# KiCad board gear85_hotswap_flex_cut, number pad.kicad_pcb (continued)
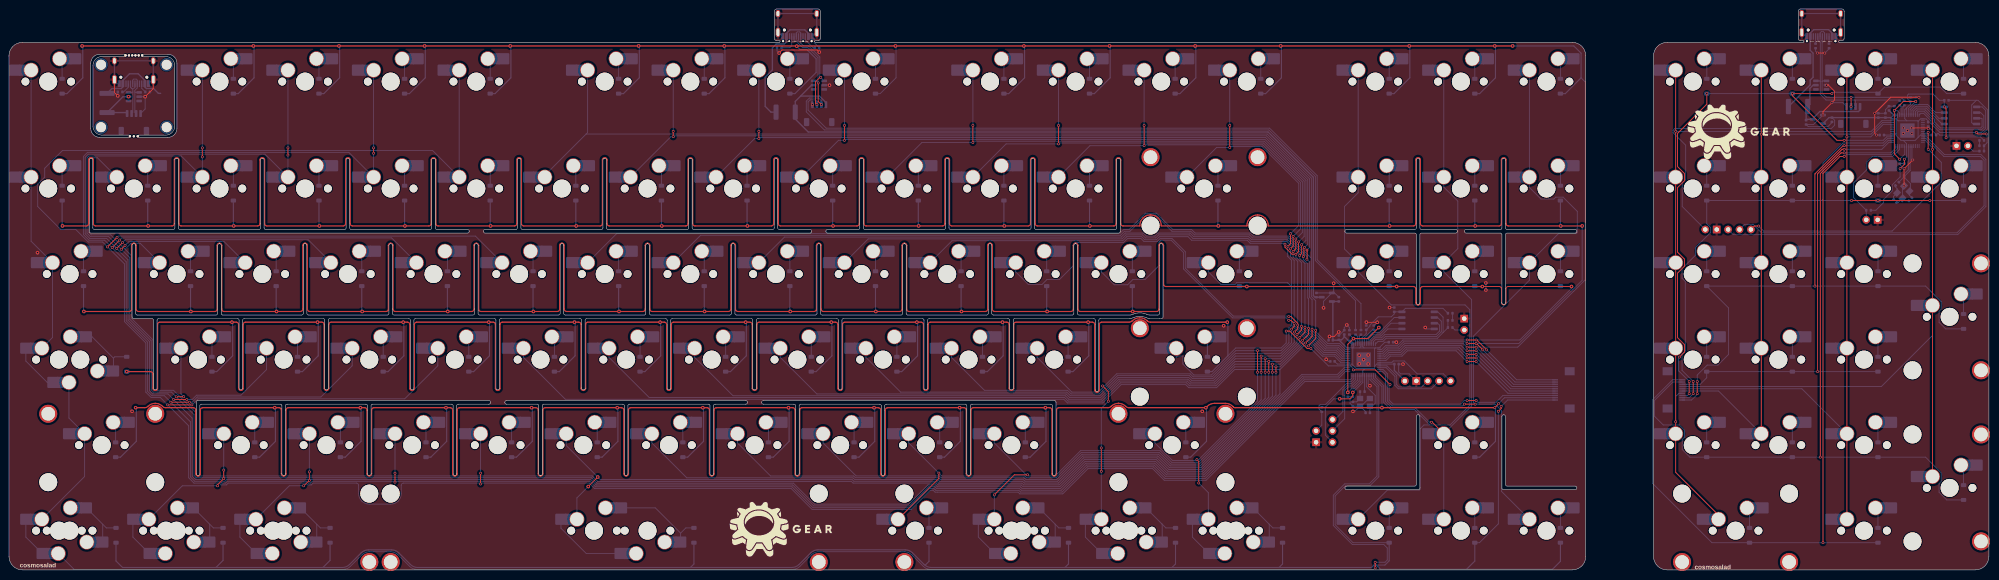
[diagram p0: board, top side]
## Footprints (pads in the part's own frame, mm; a bottom-side part is the same pattern mirrored in y, then rotated) (continued)
  round 3.3 hole 3: 1(3.81,2.54) 2(-2.54,5.08)
  rect 1.65x2.5 smd: 1(5.635,2.54) 2(-4.34,5.08)
  rrect 2.55x2.5 smd: 1(7.36,2.54) 2(-6.09,5.08)
SW_MX_HS_1.25u
  round 1.75 hole 1.75 unplated: (-5.08,0) (5.08,0)
  round 3.988 hole 3.988 unplated: (0,0)
  round 3.3 hole 3: 1(3.81,2.54) 2(-2.54,5.08)
  rect 1.65x2.5 smd: 1(5.635,2.54) 2(-4.34,5.08)
  rrect 2.55x2.5 smd: 1(7.36,2.54) 2(-6.09,5.08)
SW_MX_HS_1.75u
  round 1.75 hole 1.75 unplated: (-5.08,0) (5.08,0)
  round 3.988 hole 3.988 unplated: (0,0)
  round 3.3 hole 3: 1(3.81,2.54) 2(-2.54,5.08)
  rect 1.65x2.5 smd: 1(5.635,2.54) 2(-4.34,5.08)
  rrect 2.55x2.5 smd: 1(7.36,2.54) 2(-6.09,5.08)
SW_MX_HS_1.75u_STP_1.25
  round 1.75 hole 1.75 unplated: (-5.08,0) (5.08,0)
  round 3.988 hole 3.988 unplated: (0,0)
  round 3.3 hole 3: 1(3.81,2.54) 2(-2.54,5.08)
  rect 1.65x2.5 smd: 1(5.635,2.54) 2(-4.34,5.08)
  rrect 2.55x2.5 smd: 1(7.36,2.54) 2(-6.09,5.08)
SW_MX_HS_1u
  round 1.75 hole 1.75 unplated: (-5.08,0) (5.08,0)
  round 3.988 hole 3.988 unplated: (0,0)
  round 3.3 hole 3: 1(3.81,2.54) 2(-2.54,5.08)
  rect 1.65x2.5 smd: 1(5.635,2.54) 2(-4.34,5.08)
  rrect 2.55x2.5 smd: 1(7.36,2.54) 2(-6.09,5.08)
unnamed
  round 0.45 hole 0.45 unplated: (0,0)
unnamed#3
  round 0.5 hole 0.5 unplated: (0,0)
unnamed#4
  round 0.5 hole 0.5 unplated: (0,0.032)
unnamed#5
  round 0.35 hole 0.35 unplated: (0,0)
unnamed#6
  round 3 hole 2.2 unplated: (0.029,0)
unnamed#7
  round 3 hole 2.2 unplated: (0.029,-0.048)
unnamed#2
  round 3 hole 2.2 unplated: (0.097,0.045)
unnamed#8
  round 3 hole 2.2 unplated: (0.097,0)
USB_C_Receptacle_HRO_TYPE-C-31-M-12
  round 0.65 hole 0.65 unplated: (-2.89,2.6) (2.89,2.6)
  rect 0.6x1.45 smd: A1(-3.25,4.045) A4(-2.45,4.045) A9(2.45,4.045) A12(3.25,4.045) B1(3.25,4.045) B4(2.45,4.045) B9(-2.45,4.045) B12(-3.25,4.045)
  rect 0.3x1.45 smd: A5(-1.25,4.045) A6(-0.25,4.045) A7(0.25,4.045) A8(1.25,4.045) B5(1.75,4.045) B6(0.75,4.045) B7(-0.75,4.045) B8(-1.75,4.045)
  oval 1x1.6 hole 0.6x1.2: S1(-4.32,-1.05) S1(4.32,-1.05)
  oval 1x2.1 hole 0.6x1.7: S1(-4.32,3.13) S1(4.32,3.13)

## Nets
+1V1: C1.1 C2.1 C3.1 U1.23 U1.45 U1.50
+1V1R: C17.1 C18.1 C19.1 U7.23 U7.45 U7.50
+3V3: C4.1 C5.1 C6.1 C7.1 C8.1 C9.1 C10.1 C11.1 C13.1 C14.1 J3.1 J8.1 R4.2 R5.2 U1.1 U1.10 U1.22 U1.33 U1.42 U1.43 U1.44 U1.48 U1.49 U2.2 U3.8
+3V3R: C20.1 C21.1 C22.1 C23.1 C24.1 C25.1 C26.1 C27.1 C29.1 C32.1 J11.1 R17.2 R20.2 U7.1 U7.10 U7.22 U7.33 U7.42 U7.43 U7.44 U7.48 U7.49 U8.2 U9.8
+5V: C12.1 F1.1 J1.1 U2.3 U4.5
+5VA: F2.1 J4.4 U5.5
+5VR: C28.1 F3.1 J10.1 U6.5 U8.3
GND: BOOT1.1 C1.2 C2.2 C3.2 C4.2 C5.2 C6.2 C7.2 C8.2 C9.2 C10.2 C11.2 C12.2 C13.2 C14.2 C15.1 C16.1 J1.4 J2.A1 J2.A12 J2.B1 J2.B12 J2.S1 J8.2 R8.2 R9.2 RESET1.1 U1.19 U1.57 U2.1 U3.4 U4.2 Y1.2 Y1.4
GNDA: J4.1 J5.A1 J5.A12 J5.B1 J5.B12 J5.S1 R10.2 R11.2 U5.2
GNDR: BOOT2.1 C17.2 C18.2 C19.2 C20.2 C21.2 C22.2 C23.2 C24.2 C25.2 C26.2 C27.2 C28.2 C29.2 C30.1 C31.1 C32.2 J9.A1 J9.A12 J9.B1 J9.B12 J9.S1 J10.4 J11.2 R12.2 R13.2 RESET2.1 U6.2 U7.19 U7.57 U8.1 U9.4 Y2.2 Y2.4
VBUS: F1.2 J2.A4 J2.A9 J2.B4 J2.B9
VBUSR: F3.2 J9.A4 J9.A9 J9.B4 J9.B9
VCC: F2.2 J5.A4 J5.A9 J5.B4 J5.B9
COL0: MX1.1 MX17.1 MX34.1 MX51.1 MX52.2 MX65.1 MX78.1 MX89.2 U1.18
COL1: MX18.1 MX35.1 U1.31
COL2: MX2.1 MX19.1 MX36.1 MX53.1 MX66.1 MX79.1 MX90.2 U1.30
COL3: MX3.1 MX20.1 MX37.1 MX54.1 MX67.1 MX80.1 MX91.2 U1.29
COL4: MX4.1 MX21.1 MX38.1 MX55.1 MX68.1 U1.28
COL5: MX5.1 MX22.1 MX39.1 MX56.1 MX69.1 U1.27
COL6: MX6.1 MX23.1 MX40.1 MX57.1 MX70.1 MX81.1 MX92.2 U1.41
COL7: MX7.1 MX24.1 MX41.1 MX58.1 MX71.1 U1.40
COL8: MX8.1 MX25.1 MX42.1 MX59.1 MX72.1 U1.39
COL9: MX9.1 MX26.1 MX43.1 MX60.1 MX73.1 U1.38
COL10: MX10.1 MX27.1 MX44.1 MX61.1 MX74.1 MX82.1 U1.37
COL11: MX11.1 MX28.1 MX45.1 MX62.1 MX75.1 MX83.2 MX93.1 U1.36
COL12: MX12.1 MX29.1 MX46.1 MX63.1 MX84.2 MX94.1 U1.35
COL13: MX13.1 MX30.1 MX47.1 MX64.1 MX76.1 MX85.2 MX95.1 U1.34
COL14: MX14.1 MX31.1 MX48.1 MX86.1 U1.15
COL15: MX15.1 MX32.1 MX49.1 MX77.1 MX87.1 U1.14
COL16: MX16.1 MX33.1 MX50.1 MX88.1 U1.13
COL17: J6.4 U1.5
COL17_N: J7.4 MX96.1 MX100.1 MX104.1 MX107.1 MX108.1 MX112.1 U7.41
COL18: J6.5 U1.6
COL18_N: J7.5 MX97.1 MX101.1 MX105.1 MX109.1 MX113.1 U7.40
COL19: J6.6 U1.7
COL19_N: J7.6 MX98.1 MX102.1 MX106.1 MX110.1 MX114.1 MX115.1 U7.39
COL20: J6.7 U1.8
COL20_N: J7.7 MX99.1 MX103.1 MX111.1 MX116.1 U7.13
GP_SCL: J8.4 U1.12
GP_SCL_N: J11.4 U7.12
GP_SDA: J8.3 U1.11
GP_SDA_N: J11.3 U7.11
QSPI_SCLK: U1.52 U3.6
QSPI_SCLK_R: U7.52 U9.6
QSPI_SD0: U1.53 U3.5
QSPI_SD0_R: U7.53 U9.5
QSPI_SD1: U1.55 U3.2
QSPI_SD1_R: U7.55 U9.2
QSPI_SD2: U1.54 U3.3
QSPI_SD2_R: U7.54 U9.3
QSPI_SD3: U1.51 U3.7
QSPI_SD3_R: U7.51 U9.7
QSPI_SS: R6.1 R7.2 U1.56 U3.1
QSPI_SS_R: R18.1 R19.2 U7.56 U9.1
RESET: R5.1 RESET1.2 U1.26
RESET_R: R20.1 RESET2.2 U7.26
ROW0: D1.1 D2.1 D3.1 D4.1 D5.1 D6.1 D7.1 D8.1 D9.1 D10.1 D11.1 D12.1 D13.1 D14.1 D15.1 D16.1 J6.3 U1.4
ROW0_N: D107.1 D113.1 D115.1 D116.1 J7.3 U7.32
ROW1: D17.1 D18.1 D19.1 D20.1 D21.1 D22.1 D23.1 D24.1 D25.1 D26.1 D27.1 D28.1 D29.1 D30.1 D31.1 D32.1 D33.1 J6.2 U1.3
ROW1_N: D96.1 D97.1 D98.1 D99.1 J7.2 U7.31
ROW2: D34.1 D35.1 D36.1 D37.1 D38.1 D39.1 D40.1 D41.1 D42.1 D43.1 D44.1 D45.1 D46.1 D47.1 D48.1 D49.1 D50.1 J6.1 U1.2
ROW2_N: D100.1 D101.1 D102.1 D103.1 J7.1 U7.30
ROW3: D51.1 D53.1 D54.1 D55.1 D56.1 D57.1 D58.1 D59.1 D60.1 D61.1 D62.1 D63.1 D64.1 J6.8 U1.32
ROW3_N: D104.1 D105.1 D106.1 J7.8 U7.29
ROW4: D65.1 D66.1 D67.1 D68.1 D69.1 D70.1 D71.1 D72.1 D73.1 D74.1 D75.1 D76.1 D77.1 J6.9 U1.16
ROW4_N: D108.1 D109.1 D110.1 D111.1 J7.9 U7.28
ROW5: D78.1 D79.1 D80.1 D81.1 D82.1 D83.1 D84.1 D85.1 D86.1 D87.1 D88.1 J6.10 U1.17
ROW5_N: D112.1 D114.1 J7.10 U7.27
SW: J8.5 U1.9
SW_N: J11.5 U7.9
SWCLK: J3.2 U1.24
SWCLK_R: U7.24
SWD: J3.3 U1.25
SWD_R: U7.25
USB_D+: J1.3 J2.A6 J2.B6 R1.1 U4.1
USB_D+_DB: J4.2 J5.A6 J5.B6 U5.1
USB_D+_R: J9.A6 J9.B6 J10.3 R14.1 U6.1
USB_D-: J1.2 J2.A7 J2.B7 R2.1 U4.6
USB_D-_DB: J4.3 J5.A7 J5.B7 U5.6
USB_D-_R: J9.A7 J9.B7 J10.2 R15.1 U6.6
XIN: C15.2 U1.20 Y1.3
XIN_R: C30.2 U7.20 Y2.3
XOUT: R3.2 U1.21
XOUT_R: R16.2 U7.21
Net-(BOOT1-Pad2): BOOT1.2 R7.1
Net-(BOOT2-Pad2): BOOT2.2 R19.1
Net-(C16-Pad2): C16.2 R3.1 Y1.1
Net-(C31-Pad2): C31.2 R16.1 Y2.1
Net-(D1-A): D1.2 MX1.2
Net-(D2-A): D2.2 MX2.2
Net-(D3-A): D3.2 MX3.2
Net-(D4-A): D4.2 MX4.2
Net-(D5-A): D5.2 MX5.2
Net-(D6-A): D6.2 MX6.2
Net-(D7-A): D7.2 MX7.2
Net-(D8-A): D8.2 MX8.2
Net-(D9-A): D9.2 MX9.2
Net-(D10-A): D10.2 MX10.2
Net-(D11-A): D11.2 MX11.2
Net-(D12-A): D12.2 MX12.2
Net-(D13-A): D13.2 MX13.2
Net-(D14-A): D14.2 MX14.2
Net-(D15-A): D15.2 MX15.2
Net-(D16-A): D16.2 MX16.2
Net-(D17-A): D17.2 MX17.2
Net-(D18-A): D18.2 MX18.2
Net-(D19-A): D19.2 MX19.2
Net-(D20-A): D20.2 MX20.2
Net-(D21-A): D21.2 MX21.2
Net-(D22-A): D22.2 MX22.2
Net-(D23-A): D23.2 MX23.2
Net-(D24-A): D24.2 MX24.2
Net-(D25-A): D25.2 MX25.2
Net-(D26-A): D26.2 MX26.2
Net-(D27-A): D27.2 MX27.2
Net-(D28-A): D28.2 MX28.2
Net-(D29-A): D29.2 MX29.2
Net-(D30-A): D30.2 MX30.2
Net-(D31-A): D31.2 MX31.2
Net-(D32-A): D32.2 MX32.2
Net-(D33-A): D33.2 MX33.2
Net-(D34-A): D34.2 MX34.2
Net-(D35-A): D35.2 MX35.2
Net-(D36-A): D36.2 MX36.2
Net-(D37-A): D37.2 MX37.2
Net-(D38-A): D38.2 MX38.2
Net-(D39-A): D39.2 MX39.2
Net-(D40-A): D40.2 MX40.2
Net-(D41-A): D41.2 MX41.2
Net-(D42-A): D42.2 MX42.2
Net-(D43-A): D43.2 MX43.2
Net-(D44-A): D44.2 MX44.2
Net-(D45-A): D45.2 MX45.2
Net-(D46-A): D46.2 MX46.2
Net-(D47-A): D47.2 MX47.2
Net-(D48-A): D48.2 MX48.2
Net-(D49-A): D49.2 MX49.2
Net-(D50-A): D50.2 MX50.2
Net-(D51-A): D51.2 MX51.2 MX52.1
Net-(D53-A): D53.2 MX53.2
Net-(D54-A): D54.2 MX54.2
Net-(D55-A): D55.2 MX55.2
Net-(D56-A): D56.2 MX56.2
Net-(D57-A): D57.2 MX57.2
Net-(D58-A): D58.2 MX58.2
Net-(D59-A): D59.2 MX59.2
Net-(D60-A): D60.2 MX60.2
Net-(D61-A): D61.2 MX61.2
Net-(D62-A): D62.2 MX62.2
Net-(D63-A): D63.2 MX63.2
Net-(D64-A): D64.2 MX64.2
Net-(D65-A): D65.2 MX65.2
Net-(D66-A): D66.2 MX66.2
Net-(D67-A): D67.2 MX67.2
Net-(D68-A): D68.2 MX68.2
Net-(D69-A): D69.2 MX69.2
Net-(D70-A): D70.2 MX70.2
Net-(D71-A): D71.2 MX71.2
Net-(D72-A): D72.2 MX72.2
Net-(D73-A): D73.2 MX73.2
Net-(D74-A): D74.2 MX74.2
Net-(D75-A): D75.2 MX75.2
Net-(D76-A): D76.2 MX76.2
Net-(D77-A): D77.2 MX77.2
Net-(D78-A): D78.2 MX78.2 MX89.1
Net-(D79-A): D79.2 MX79.2 MX90.1
Net-(D80-A): D80.2 MX80.2 MX91.1
Net-(D81-A): D81.2 MX81.2 MX92.1
Net-(D82-A): D82.2 MX82.2
Net-(D83-A): D83.2 MX83.1 MX93.2
Net-(D84-A): D84.2 MX84.1 MX94.2
Net-(D85-A): D85.2 MX85.1 MX95.2
Net-(D86-A): D86.2 MX86.2
Net-(D87-A): D87.2 MX87.2
Net-(D88-A): D88.2 MX88.2
Net-(D96-A): D96.2 MX96.2
Net-(D97-A): D97.2 MX97.2
Net-(D98-A): D98.2 MX98.2
Net-(D99-A): D99.2 MX99.2
Net-(D100-A): D100.2 MX100.2
Net-(D101-A): D101.2 MX101.2
Net-(D102-A): D102.2 MX102.2
Net-(D103-A): D103.2 MX103.2
Net-(D104-A): D104.2 MX104.2
Net-(D105-A): D105.2 MX105.2
Net-(D106-A): D106.2 MX106.2
Net-(D107-A): D107.2 MX107.2
Net-(D108-A): D108.2 MX108.2
Net-(D109-A): D109.2 MX109.2
Net-(D110-A): D110.2 MX110.2
Net-(D111-A): D111.2 MX111.2
Net-(D112-A): D112.2 MX112.2
Net-(D113-A): D113.2 MX113.2
Net-(D114-A): D114.2 MX114.2
Net-(D115-A): D115.2 MX115.2
Net-(D116-A): D116.2 MX116.2
Net-(J2-CC1): J2.A5 R8.1
Net-(J2-CC2): J2.B5 R9.1
Net-(J5-CC1): J5.A5 R10.1
Net-(J5-CC2): J5.B5 R11.1
Net-(J9-CC1): J9.A5 R12.1
Net-(J9-CC2): J9.B5 R13.1
Net-(R4-Pad1): R4.1 R6.2
Net-(R17-Pad1): R17.1 R18.2
Net-(U1-USB_DM): R2.2 U1.46
Net-(U1-USB_DP): R1.2 U1.47
Net-(U7-USB_DM): R15.2 U7.46
Net-(U7-USB_DP): R14.2 U7.47

Pads without a net: J1 MP; J2 A8 B8; J4 MP; J5 A8 B8; J6 MP; J7 MP; J9 A8 B8; J10 MP; U4 3 4; U5 3 4; U6 3 4; U7 2 3 4 5 6 7 8 14 15 16 17 18 34 35 36 37 38

## Via types
v1: diameter 0.8, hole 0.4, Top to Bottom, 115 vias
v2: diameter 0.6, hole 0.4, Top to Bottom, 191 vias
v3: diameter 0.6, hole 0.3, Top to Bottom, 1 via

## Routing (per net, layer and track width the routed paths; a pad name or vN(x,y) marks a point on that pad's centre or on a via; arc(x,y) is an arc through that point)
+1V1: length 32.9
  Top w0.2: v1(297.89,39.52) 297.89,50.24 v1(299.15,51.5) 302.33,51.5 v1(304.8,53.98)
  Bottom w0.2: v1(297.89,39.52) 298.72,40.34 299.27,40.34 300.82,41.89 U1.23 ; v1(304.8,53.98) 304.29,53.46 C1.1 303.4,53.46 301.62,51.69 U1.50 ; U1.45 299.62,51.04 v1(299.15,51.5) C3.1
+1V1R: length 26
  Top w0.2: v2(424.26,104.3) 421.48,104.3 v2(419.5,102.31) 419.5,92.64 v2(420.69,91.45)
  Bottom w0.2: v2(419.5,102.31) 420.1,102.31 420.61,101.8 U7.45 ; v2(420.69,91.45) 421.81,92.57 U7.23 ; U7.50 422.61,102.71 424.2,104.3 v2(424.26,104.3)
+3V3: length 111.6
  Top w0.2: v1(296.09,38.1) 298.34,38.1 299,38.76 v1(299,39.52)
  Bottom w0.2: 292.89,36.23 294.77,38.1 v1(296.09,38.1) ; 292.89,36.23 R5.2 ; 292.89,36.23 292.89,30 J3.1 ; U1.44 299.22,49.65 299,49.43 ; 301.69,44.85 299.78,44.85 299,45.63 ; 301.69,44.85 303.79,44.85 303.81,44.83 303.81,45.32 ; 301.69,44.85 301.22,44.37 U1.22 301.22,41.72 299.02,39.52 v1(299,39.52) ; C9.1 306.13,50.71 U1.1 304.01,49.43 ; 301.52,49.43 301.22,49.74 U1.49 301.22,51.85 ; 299,49.43 299,45.63 ; 299,49.43 298.82,49.61 U1.43 ; 299,49.43 U1.42 ; 299,49.43 304.01,49.43 ; 299,45.63 298.79,45.83 U1.33 295.56,45.83 C7.1 ; 304.01,49.43 303.81,49.24 303.81,45.32 ; R4.2 319.07,58.24 310.71,58.24 U3.8 309.93,57.47 C14.1 308.23,57.01 307.58,56.36 304.67,56.36 302.81,54.49 302.81,54.28 C6.1 301.99,52.63 300.82,51.45 U1.48 300.82,49.74 300.51,49.43 ; 303.81,45.32 304.32,45.83 U1.10 308.25,45.83 C10.1
  Bottom w0.3: C13.1 295.88,59.77 U2.2 294.57,59.55 C4.1 295.8,51.14 C11.1 ; J8.1 308.25,44.41 C10.1 ; C11.1 296.5,51.23 297.1,51.83 C5.1 297.1,51.99 297.97,51.12 ; C11.1 297.64,49.48 297.98,49.48 ; 297.97,51.12 298.45,51.12 299.17,50.39 299.17,50.27 ; 297.97,51.12 U1.43
+3V3R: length 166.6
  Top w0.2: v2(421.74,91.45) 421.74,90.31 v2(420.78,89.36) ; v2(431.01,96.23) 431.01,102.71 v2(430.61,103.11)
  Bottom w0.2: C24.1 427.04,99.98 426.58,100.43 U7.1 425.31,100.43 424.79,99.91 ; 424.79,96.31 424.79,99.91 ; 424.79,96.31 424.13,95.65 421.49,95.65 ; 424.79,96.31 425.31,96.83 U7.10 C25.1 ; 424.79,99.91 424.68,100.01 422.27,100.01 ; 422.21,102.87 421.81,102.47 U7.48 421.81,100.48 422.27,100.01 ; 422.21,102.87 423.07,103.73 C22.1 422.45,104.92 422.45,105.74 422.67,105.97 428.12,105.97 429.51,104.58 C32.1 v2(430.61,103.11) ; 422.21,102.87 U7.49 ; C29.1 406.22,100.12 406.22,99.04 405.49,98.31 370.67,98.31 370.25,97.89 370.25,97.39 373.06,94.58 373.06,86.92 372.31,86.16 372.31,80.93 J11.1 ; v2(421.74,91.45) 422.21,91.92 U7.22 422.21,94.93 421.49,95.65 ; R20.2 415.39,80.09 417.12,81.81 417.12,82.48 419.06,84.42 419.06,85.77 420.78,87.5 v2(420.78,89.36) ; 421.49,95.65 420.97,95.65 419.92,96.7 419.92,97.25 ; U7.43 U7.44 420.21,100.73 419.92,100.43 ; 419.92,100.43 U7.42 ; 419.92,100.43 420.34,100.01 422.27,100.01 ; 419.92,100.43 419.92,97.25 ; C23.1 U7.33 419.5,96.83 419.92,97.25 ; v2(431.01,96.23) 431.21,96.43 438.68,96.43 R17.2
  Bottom w0.3: U8.2 404.96,100.73 415.92,100.73 C20.1 C27.1 418.73,100.72 ; 419.34,101.27 418.8,100.72 418.73,100.72 ; 419.34,101.27 C21.1 ; 419.34,101.27 U7.43 ; 418.73,100.72 418.97,100.48
+5V: length 165.2
  Bottom w0.3: 176.14,105.53 180.33,105.53 181.77,104.08 J1.1 ; U4.5 178.56,107.95 174.95,104.34 F1.1 174.95,100.39 177.83,97.52 280.14,97.52 290.23,87.43 290.23,61.09 290.6,60.72 C12.1 292.07,60.72 U2.3
+5VA: length 11
  Top w0.3: 26.86,105.38 v1(26.61,105.38)
  Bottom w0.3: J4.4 26.07,101.84 F2.1 25.36,105.38 v1(26.61,105.38)
+5VR: length 22.9
  Bottom w0.3: U6.5 401.43,107.95 400.71,107.24 400.71,103.7 399.87,102.85 C28.1 400.07,100.34 U8.3 401.35,100.52 402.91,102.08 411.52,102.08 411.87,102.43 J10.1
GND: length 89.6
  Top w0.2: v1(180.29,115.32) 179.84,115.77 172.02,115.77 v1(171.35,115.11) ; v1(295.87,52.98) 294.88,51.99 v1(293.82,51.99) ; v1(304.44,55.13) 302.06,55.13 v1(302.02,55.17)
  Bottom w0.2: v1(293.08,46.9) 293.55,46.43 C7.2 ; U3.4 315.44,53.66 v1(315.12,53.98) ; C14.2 307.18,58.43 v1(307.18,58.42) ; Y1.4 C16.1 298.39,37.07 298.39,37.95 C8.2 C2.2 ; Y1.4 300.86,36.46 302.56,38.16 Y1.2 ; Y1.4 299.45,35.3 v1(299.04,35.3) ; Y1.4 301.86,35.22 C15.1 ; U2.1 294.34,61.68 C12.2 ; U2.1 294.75,62.08 v1(294.75,63.83) ; U2.1 294.95,61.67 C13.2 ; U2.1 292.5,59.82 v1(292.5,58.34) ; C6.2 302.02,54.45 v1(302.02,55.17) ; C4.2 293.61,51.78 v1(293.82,51.99) ; v1(171.35,115.11) 170.89,115.57 R8.2 ; v1(295.87,52.98) 295.89,52.96 C11.2 295.92,52.19 C5.2 297.1,53.97 v1(297.67,54.54) 298.24,53.97 C3.2 ; U1.19 302.42,41.41 v1(302.82,41.01) ; v1(308.68,50.71) C9.2 ; v1(310.17,45.83) C10.2 309.21,44.09 309.64,43.66 311.55,43.66 J8.2 ; v1(180.29,115.32) 180.29,115.32 R9.2 179.17,117.4 179.17,118.28 J2.A12 179.58,119.7 J2.S1 J2.S1 J2.S1 J2.S1 171.25,119.7 J2.A1 ; U4.2 v1(182.56,107.95) ; v1(328.61,62.31) v1(328.61,63.9)
  Bottom w0.25: v1(304.44,55.13) 303.73,54.42 C1.2
  vias: v1(6.35,70.64) v1(27.38,35.32) v1(265.51,35.32) v1(270.27,54.37) v1(300.41,47.82) v1(300.43,45.86) v1(301.41,46.84) v1(302.42,47.85) v1(302.42,45.86) v2(178.77,103.6)
GNDA: length 36.5
  Top w0.2: J5.S1 23.46,106.32 v1(24.21,105.57) ; J5.S1 32.1,107.19 v1(30.29,105.38)
  Bottom w0.2: v1(30.29,105.38) R11.2 ; v1(30.29,105.38) U5.2 ; v1(30.29,105.38) 30.29,102.64 J4.1 ; v1(24.21,105.57) 24.21,106.44 R10.2 ; J5.A12 31.95,109.19 J5.S1 J5.S1 J5.S1 J5.S1 23.46,108.78 23.97,108.27 J5.A1
GNDR: length 130.3
  Top w0.2: v2(402.42,115.09) v2(404.02,115.09) ; v2(415.53,96.83) 415.13,97.23 v2(415.13,101.68) 418.7,105.26 v2(424.97,105.26) ; v2(403.62,101.29) 403.62,102.05 v2(405.61,104.04) 406.21,104.64 406.21,106.56 404.81,107.95 v2(404.4,107.95) ; v2(423.39,98.43) 426.85,98.43 v2(427.04,98.23) ; v2(423.61,91.28) v2(421.66,89.33) v2(421.66,85.52)
  Bottom w0.2: Y2.4 421.32,82.78 421.32,85.18 v2(421.66,85.52) ; Y2.4 421.85,82.21 C30.1 ; Y2.4 420.37,81.82 C31.1 ; C19.2 C21.2 417.51,102.48 C27.2 C20.2 v2(415.13,101.68) ; C29.2 405.61,99.62 404.7,98.71 400.34,98.71 C28.2 401.51,99.19 v2(403.62,101.29) ; 437.75,104.58 C32.2 ; 437.75,104.58 438.12,104.58 440.22,102.48 440.22,98.2 438.84,96.83 429.6,96.83 429.19,97.23 C25.2 428.79,96.99 C24.2 427.04,98.73 v2(427.04,98.23) ; 437.75,104.58 436.71,103.53 436.71,99.6 437.01,99.3 U9.4 ; v2(423.61,91.28) 423.41,91.48 U7.19 ; v2(424.97,105.26) C17.2 C22.2 ; J9.A12 406.63,118.79 J9.S1 J9.S1 J9.S1 J9.S1 399.82,118.79 J9.A1 ; R12.2 401.97,115.54 v2(402.42,115.09) ; v2(421.66,89.33) 420.69,90.3 C18.2 C26.2 ; v2(405.61,104.04) 408.03,104.04 J10.4 ; R13.2 404.97,116.05 v2(404.02,115.09) ; v2(415.53,96.83) C23.2
  vias: v2(421.48,98.43) v2(421.48,97.23) v2(422.42,97.83) v2(423.39,97.23)
VBUS: length 28.4
  Bottom w0.3: J2.A9 177.87,119.46 177.06,120.26 173.77,120.26 172.97,119.46 J2.A4 172.97,117.58 172.5,117.12 170.71,117.12 169.86,116.27 169.86,111.34 168.26,109.74 168.26,103.22 169.55,101.94 F1.2
VBUSR: length 25.2
  Bottom w0.3: J9.A9 405.68,119.51 404.88,120.31 401.57,120.31 400.77,119.51 J9.A4 400.77,115.71 401.41,115.07 401.41,109.71 400.78,109.08 400.78,108.01 395.96,103.19 F3.2
VCC: length 17.2
  Bottom w0.3: 33.73,106.12 33.24,106.12 32.17,107.2 30.58,107.2 30.23,107.55 J5.A9 30.23,109 28.75,110.48 26.81,110.48 25.33,109 J5.A4 25.33,107.55 24.98,107.2 22.91,107.2 F2.2
COL0: length 483.4
  Top w0.25: v2(303.99,0.45) 303.99,1.69 v2(303.98,1.7)
  Bottom w0.2: U1.18 302.82,42.35 304.39,40.79 304.39,20.89 302.65,19.15 297.19,19.15 294.67,16.63 294.67,9.88 298.9,5.65 305.9,5.65 306.67,4.87 306.67,2.2 306.17,1.7 v2(303.98,1.7) ; MX1.1 MX17.1 4.92,73.18 MX34.1 9.68,51.75 MX51.1 ; MX52.2 8.51,41.75 3.75,46.51 MX51.1 ; MX89.2 3.75,7.3 MX78.1 ; v2(303.99,0.45) 303.64,0.1 205.08,0.1 arc(204.2,0.28) 203.45,0.77 200.85,3.37 arc(200.1,3.87) 199.22,4.05 180.19,4.05 arc(179.31,3.87) 178.56,3.37 175.96,0.77 arc(175.22,0.28) 174.34,0.1 90.78,0.1 arc(89.9,0.28) 89.15,0.77 86.55,3.37 arc(85.8,3.87) 84.92,4.05 80.18,4.05 arc(79.3,3.87) 78.55,3.37 75.95,0.77 arc(75.2,0.28) 74.32,0.1 14.5,0.1 MX89.2 ; MX52.2 13.33,33.81 MX65.1 16.83,20.8 MX78.1
COL1: length 374
  Bottom w0.2: U1.31 297.11,45.03 295.62,43.54 287.67,43.54 265.68,21.55 257.72,21.55 255.11,24.16 239.43,24.16 233.81,18.53 225.58,18.53 225.21,18.91 206.73,18.91 206.3,19.33 187.82,19.33 187.44,19.71 130.99,19.71 129.77,20.93 41.83,20.93 41.57,21.19 41.57,35.02 36.62,39.98 32.3,39.98 32.05,40.24 32.05,51.2 27.28,55.96 27.28,69.95 22.62,74.61 18.31,74.61 17.76,75.16 17.76,91.57 17.96,91.78 19.66,91.78 MX18.1 ; MX35.1 29.19,72.73 27.14,72.73 25.82,71.41
COL2: length 494.5
  Top w0.2: v2(37.21,38.54) 37.23,38.56 v2(38.89,38.56) ; v2(43.02,93.98) v2(43.02,91.98) ; v2(24.98,71.41) v2(25.82,72.26) ; v2(46.4,18.73) 46.4,18.95 v2(47.78,20.33) v2(47.78,22.23)
  Bottom w0.2: v2(25.82,72.26) 26.7,73.13 47.84,73.13 MX36.1 ; MX53.1 38.26,39.19 v2(38.89,38.56) ; U1.30 297.27,44.63 295.78,43.14 287.84,43.14 265.85,21.15 257.55,21.15 254.95,23.76 239.6,23.76 233.97,18.13 225.4,18.13 225.03,18.51 206.56,18.51 206.13,18.93 204.49,18.93 200.2,14.64 179.21,14.64 174.55,19.31 130.82,19.31 129.6,20.53 47.98,20.53 v2(47.78,20.33) 47.58,20.53 41.66,20.53 41.17,21.02 41.17,34.58 36.17,39.58 32.13,39.58 31.65,40.07 31.65,51.03 26.88,55.79 26.88,69.53 24.22,72.2 24.19,72.2 22.17,74.21 18.14,74.21 17.36,75 17.36,91.74 17.8,92.18 38.31,92.18 MX19.1 43.02,91.98 v2(43.02,91.98) ; MX90.2 27.56,7.3 MX79.1 ; MX79.1 38.57,18.73 v2(46.4,18.73) ; v2(47.78,22.23) MX66.1 ; MX2.1 43.02,93.98 v2(43.02,93.98)
COL3: length 546
  Top w0.2: v2(23.97,71.6) v2(25.24,72.87) ; v2(65.55,18.73) 65.63,18.73 v2(66.83,19.93) v2(66.83,21.83) ; v2(36.62,37.94) v2(39.56,37.94) ; v2(62.07,93.98) v2(62.07,92.38)
  Bottom w0.2: U1.29 297.44,44.23 295.95,42.74 288,42.74 266.01,20.75 257.39,20.75 254.78,23.36 239.76,23.36 234.14,17.73 225.24,17.73 224.86,18.11 206.39,18.11 205.97,18.53 204.67,18.53 200.38,14.24 179.04,14.24 174.38,18.91 130.66,18.91 129.43,20.13 67.03,20.13 v2(66.83,19.93) 66.63,20.13 48.43,20.13 48.03,19.73 47.54,19.73 47.14,20.13 41.5,20.13 40.77,20.85 40.77,33.79 35.38,39.18 31.97,39.18 31.25,39.9 31.25,50.87 26.48,55.63 26.48,69.05 23.56,71.97 23.56,72.03 23.21,72.38 23.16,72.38 21.73,73.81 17.98,73.81 16.96,74.83 16.96,91.91 17.63,92.58 56.96,92.58 MX20.1 v2(62.07,92.38) ; MX37.1 71.6,68.5 66.57,73.53 25.91,73.53 v2(25.24,72.87) ; MX80.1 62.39,18.73 v2(65.55,18.73) ; v2(39.56,37.94) 40.77,37.94 41.74,38.9 51.6,38.9 57.31,44.61 MX54.1 ; MX80.1 51.38,7.3 MX91.2 ; v2(66.83,21.83) MX67.1 ; v2(62.07,93.98) MX3.1
COL4: length 582.8
  Top w0.2: v2(22.96,71.78) v2(24.63,73.45) ; v2(36.01,37.34) v2(40.14,37.34) ; v2(85.89,19.53) v2(85.89,21.53) ; v2(81.12,92.78) v2(81.12,93.98)
  Bottom w0.2: v2(40.14,37.34) 40.74,37.34 41.9,38.5 69.41,38.5 76.36,45.45 MX55.1 ; 90.65,68.42 85.14,73.93 25.12,73.93 v2(24.63,73.45) ; v2(85.89,21.53) 85.89,30.32 ; U1.28 298.82,42.72 298.44,42.34 288.17,42.34 266.18,20.35 257.22,20.35 254.62,22.96 239.93,22.96 234.3,17.33 225.07,17.33 224.7,17.71 206.23,17.71 205.8,18.13 204.83,18.13 200.54,13.84 178.88,13.84 174.21,18.51 130.49,18.51 129.27,19.73 86.09,19.73 v2(85.89,19.53) 85.69,19.73 67.48,19.73 67.08,19.33 66.59,19.33 66.19,19.73 48.6,19.73 48.2,19.33 47.37,19.33 46.97,19.73 41.33,19.73 40.37,20.69 40.37,32.98 34.57,38.78 31.8,38.78 30.85,39.74 30.85,50.7 26.08,55.46 26.08,68.61 21.28,73.41 17.81,73.41 16.56,74.67 16.56,92.07 17.46,92.98 75.61,92.98 MX21.1 81.12,92.78 v2(81.12,92.78) ; MX4.1 81.12,111.28 v2(81.12,93.98)
COL5: length 664.3
  Top w0.2: v2(35.32,36.74) v2(40.71,36.74) ; v2(24.04,74.04) v2(21.92,71.92) ; v2(104.93,21.53) v2(104.93,19.13)
  Bottom w0.2: MX56.1 95.41,45.45 88.06,38.1 42.07,38.1 v2(40.71,36.74) ; v2(24.04,74.04) 24.32,74.33 103.79,74.33 MX39.1 ; U1.27 299.22,42.55 298.61,41.94 288.33,41.94 266.34,19.95 257.06,19.95 254.45,22.56 240.09,22.56 234.47,16.93 224.91,16.93 224.53,17.31 206.62,17.31 206.06,17.31 205.64,17.73 205,17.73 200.71,13.44 178.71,13.44 174.05,18.11 130.32,18.11 129.1,19.33 105.13,19.33 v2(104.93,19.13) 104.73,19.33 87.78,19.33 arc(87.42,19.18) 87.28,18.83 87.28,16.97 arc(87.1,16.09) 86.6,15.34 86.58,15.32 arc(85.83,14.82) 84.95,14.64 80.15,14.64 arc(79.27,14.82) 78.52,15.32 78.46,15.38 arc(77.96,16.13) 77.79,17.01 77.79,18.83 arc(77.64,19.18) 77.29,19.33 67.65,19.33 67.25,18.93 66.42,18.93 66.02,19.33 48.76,19.33 48.36,18.93 47.2,18.93 46.8,19.33 41.17,19.33 39.97,20.52 39.97,32.09 33.68,38.38 31.64,38.38 30.45,39.57 30.45,50.53 25.68,55.3 25.68,68.16 v2(21.92,71.92) 20.83,73.01 17.64,73.01 14.85,75.8 11.51,75.8 6.39,80.93 6.39,85.9 7.94,87.45 7.94,89.44 11.88,93.38 94.26,93.38 MX22.1 MX5.1 ; MX69.1 104.93,21.53 v2(104.93,21.53)
COL6: length 807.1
  Top w0.2: v1(128.89,18.56) v1(131.01,20.68) ; v2(289.11,49.89) 290.74,51.52 v2(290.74,53.36)
  Bottom w0.2: MX57.1 114.46,47.33 123.8,37.98 234.71,37.98 235.51,37.19 243.38,37.19 247.45,41.26 261.83,41.26 262.5,40.58 268.68,40.58 272.72,44.62 282.79,44.62 ; MX23.1 119.22,87.87 128.42,97.07 ; 128.42,97.07 279.96,97.07 289.78,87.24 289.78,69.39 ; 128.42,97.07 128.75,97.39 MX6.1 ; MX40.1 135.23,74.91 247.15,74.91 248.05,75.81 249.25,75.81 252.86,79.42 255.31,79.42 258.93,75.81 263.12,75.81 263.92,75.01 276.16,75.01 276.84,74.33 284.84,74.33 289.78,69.39 ; MX81.1 126.37,16.03 v1(128.89,18.56) ; U1.41 297.45,49.03 296.08,50.4 293.42,50.4 290.74,53.08 290.74,59.94 289.78,60.9 289.78,69.39 ; 282.79,44.62 288.06,49.89 v2(289.11,49.89) ; 282.79,44.62 282.79,39.23 265.51,21.95 257.88,21.95 255.28,24.56 239.27,24.56 233.64,18.93 225.75,18.93 225.38,19.31 206.89,19.31 206.47,19.73 187.98,19.73 187.61,20.11 131.58,20.11 123.98,27.7 MX70.1 ; MX92.2 128.44,3.65 122.81,9.28 MX81.1
COL7: length 699.9
  Top w0.2: 288.85,69.24 288.85,71.17 v3(288.8,71.22) ; v2(288.48,50.52) 289.94,51.98 v2(289.94,53.6) ; v2(281.91,45.22) 281.9,45.21 v2(281.9,44.02) ; 147.8,97.67 v2(147.8,97.67) v2(147.8,96.47) 147.8,96.47
  Top w0.25: v2(288.8,69.19) 288.85,69.24
  Bottom w0.2: MX41.1 153.88,74.51 247.32,74.51 248.22,75.41 249.42,75.41 253.03,79.02 255.15,79.02 258.76,75.41 262.96,75.41 263.76,74.61 276,74.61 276.68,73.93 284.67,73.93 288.8,69.81 v2(288.8,69.19) 289.38,68.61 289.38,60.74 289.94,60.18 v2(289.94,53.6) 289.94,53.32 293.25,50 295.91,50 297.28,48.63 U1.40 ; v3(288.8,71.22) 289.38,71.81 289.38,87.08 279.79,96.67 148,96.67 147.8,96.47 147.27,96.47 MX24.1 ; MX7.1 v2(147.8,97.67) 147.8,97.67 ; MX58.1 133.51,47.33 142.45,38.38 234.87,38.38 235.67,37.59 243.22,37.59 247.29,41.66 261.99,41.66 262.65,41 268.54,41 272.75,45.22 282.83,45.22 288.13,50.52 v2(288.48,50.52) ; v2(281.9,44.02) 281.9,38.91 265.35,22.35 258.05,22.35 255.44,24.96 239.1,24.96 233.47,19.33 225.92,19.33 225.54,19.71 207.06,19.71 206.63,20.13 188.15,20.13 187.77,20.51 150.8,20.51 143.03,28.28 MX71.1
COL8: length 618.8
  Top w0.2: v2(287.85,51.15) 289.16,52.47 v2(289.16,53.79) ; v2(288,69.76) 288.13,69.9 288.13,71.69 v2(288.23,71.79) ; v2(281.1,44.02) 281.1,45.81 v2(281.11,45.82) ; 166.85,96.07 166.85,97.67
  Bottom w0.2: MX25.1 165.92,96.07 166.85,96.07 167.05,96.27 279.62,96.27 288.98,86.91 288.98,72.54 v2(288.23,71.79) ; MX59.1 152.56,47.33 161.1,38.78 235.04,38.78 235.84,37.99 243.05,37.99 247.12,42.06 262.16,42.06 262.81,41.4 268.37,41.4 272.79,45.82 282.86,45.82 287.85,50.8 v2(287.85,51.15) ; U1.39 297.12,48.23 295.75,49.6 293.08,49.6 289.16,53.53 289.16,60.39 288.98,60.57 288.98,68.16 288,69.14 v2(288,69.76) 288,70.04 284.51,73.53 276.51,73.53 275.83,74.21 263.59,74.21 262.79,75.01 255.65,75.01 254.97,74.33 253.03,74.33 252.35,75.01 248.38,75.01 247.48,74.11 172.53,74.11 MX42.1 ; v2(281.1,44.02) 281.1,38.67 265.18,22.75 258.22,22.75 255.61,25.36 238.93,25.36 233.31,19.73 226.08,19.73 225.71,20.11 207.22,20.11 206.8,20.53 188.31,20.53 187.94,20.91 169.45,20.91 162.08,28.28 MX72.1 ; 166.85,97.67 166.85,97.67 MX8.1
  vias: v2(166.85,97.67) v2(166.85,96.07)
COL9: length 540.8
  Top w0.2: v2(287.62,72.4) 287.62,70.45 v2(287.18,70.01) ; v2(280.31,46.42) 280.31,46.41 v2(280.31,44.02) ; 185.9,98.97 v2(185.9,98.97) v2(185.9,95.67) 185.91,95.67 ; v2(288.36,54.02) 288.36,52.93 v2(287.22,51.78)
  Bottom w0.2: v2(287.22,51.78) 287.22,50.74 282.9,46.42 272.82,46.42 268.21,41.8 262.98,41.8 262.32,42.46 246.96,42.46 242.89,38.39 236,38.39 235.2,39.18 179.75,39.18 171.61,47.33 MX60.1 ; MX73.1 181.13,28.28 188.48,20.93 206.96,20.93 207.39,20.51 225.87,20.51 226.25,20.13 233.14,20.13 238.77,25.76 255.78,25.76 258.38,23.15 265.02,23.15 280.31,38.44 v2(280.31,44.02) ; 185.9,98.97 v2(185.9,98.97) MX9.1 ; v2(287.62,72.4) 288.58,73.36 288.58,86.75 279.46,95.87 186.1,95.87 v2(185.9,95.67) 184.57,95.67 MX26.1 ; U1.38 296.95,47.83 295.58,49.2 292.9,49.2 288.36,53.74 288.36,68.21 287.18,69.4 v2(287.18,70.01) 287.18,70.3 284.34,73.13 276.34,73.13 275.67,73.81 263.42,73.81 262.62,74.61 255.81,74.61 255.14,73.93 252.86,73.93 252.19,74.61 248.55,74.61 247.65,73.71 191.18,73.71 MX43.1
COL10: length 477.2
  Top w0.2: v2(214.47,95.17) v2(214.47,98.97) ; v2(286.58,52.41) 287.58,53.41 v2(287.58,54.24) ; v2(286.97,73.05) 286.93,73.02 286.93,70.89 v2(286.33,70.29) 285.48,70.29 283.91,71.86 v2(283.91,72.53) ; v2(279.51,44.02) 279.51,47.01 v2(279.51,47.02) ; MX82.1 206.9,20.37 v2(206.9,21.56)
  Bottom w0.2: MX44.1 209.83,73.31 247.82,73.31 248.72,74.21 252.02,74.21 252.7,73.53 255.3,73.53 255.98,74.21 262.33,74.21 263.13,73.41 275.5,73.41 276.18,72.73 283.72,72.73 v2(283.91,72.53) ; MX74.1 200.18,28.28 207.55,20.91 226.04,20.91 226.41,20.53 232.98,20.53 238.6,26.16 255.94,26.16 258.55,23.55 264.85,23.55 279.51,38.2 v2(279.51,44.02) ; MX61.1 190.66,47.33 198.4,39.58 235.37,39.58 236.17,38.79 242.72,38.79 246.79,42.86 262.49,42.86 263.14,42.2 268.04,42.2 272.86,47.02 282.93,47.02 286.58,50.67 v2(286.58,52.41) ; MX10.1 214.47,99.12 214.31,98.97 ; v2(286.33,70.29) 286.33,69.67 287.58,68.43 287.58,53.96 292.74,48.8 295.41,48.8 296.79,47.43 U1.37 ; MX27.1 203.12,95.17 v2(214.47,95.17) 214.77,95.47 279.29,95.47 288.18,86.58 288.18,74.26 v2(286.97,73.05)
